# Altium PCB FlyAndDive.PcbDoc
Units mil, origin at the board's own origin, x right, y up, seen from the top; angles counter-clockwise.
Board outline 2050 x 1260 mil, 2 copper layers (Top Layer, Bottom Layer); 41 components, 48 nets, 195 pads, 48 vias.
Unrouted connection lines stored in the file: 28.
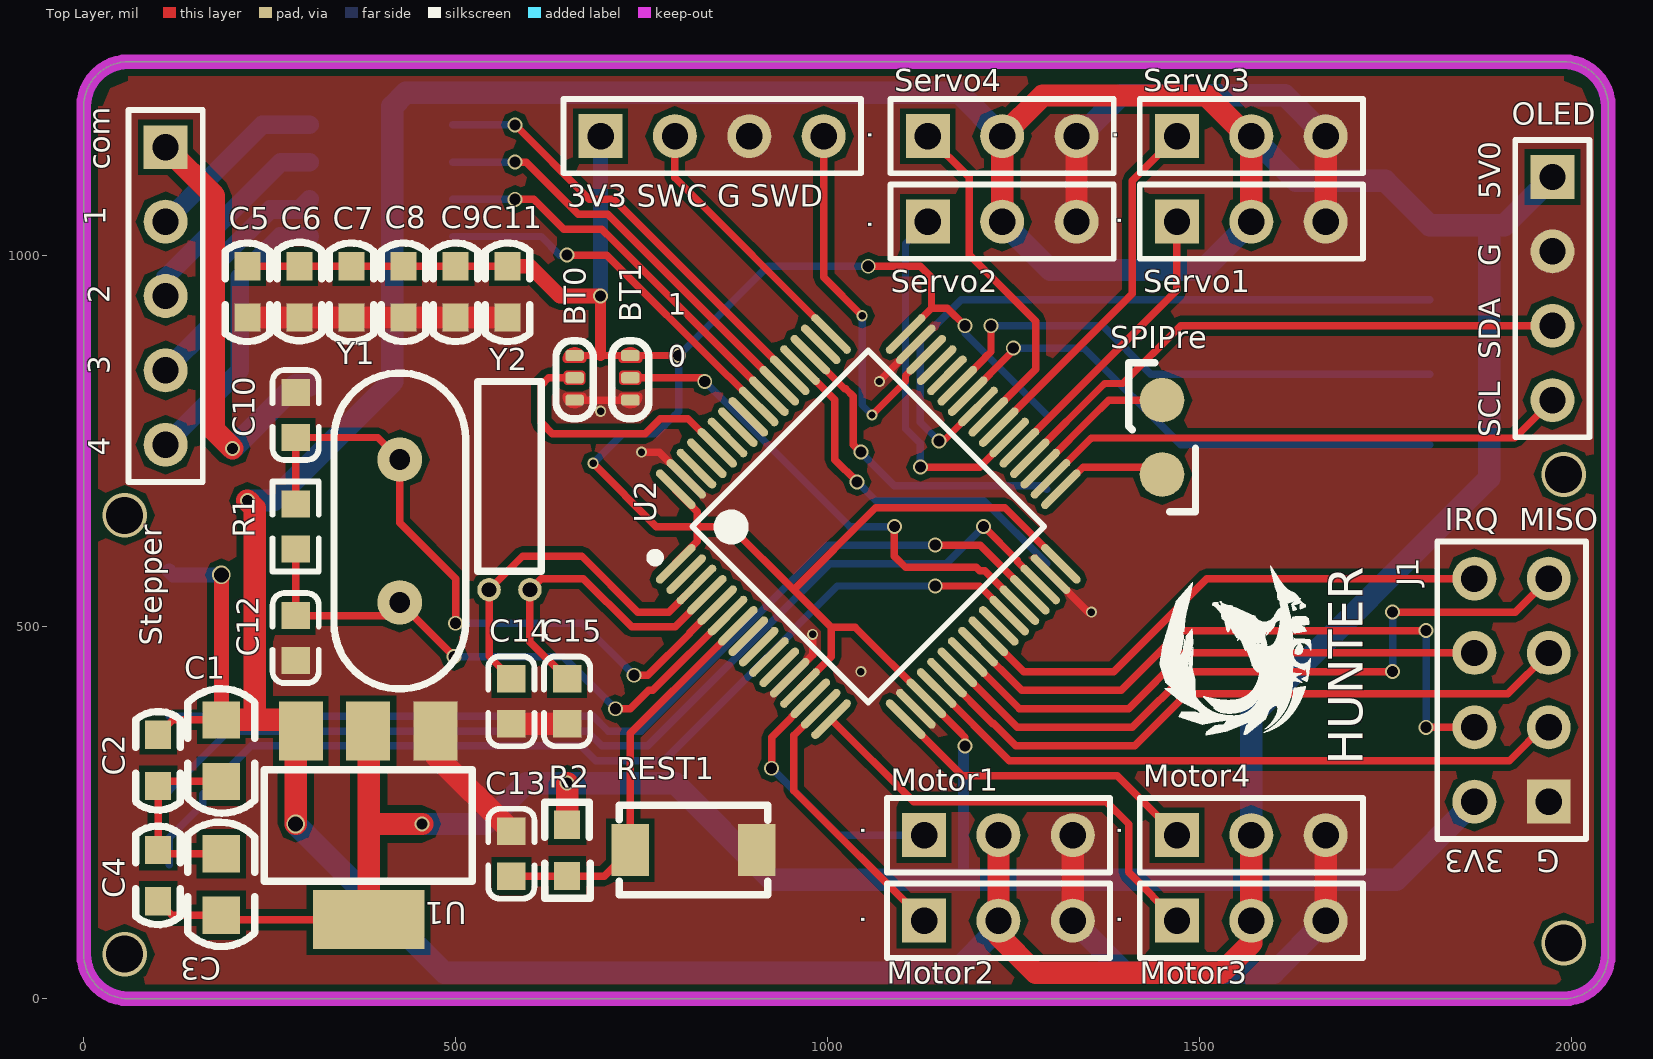
[diagram p0: Top Layer view]
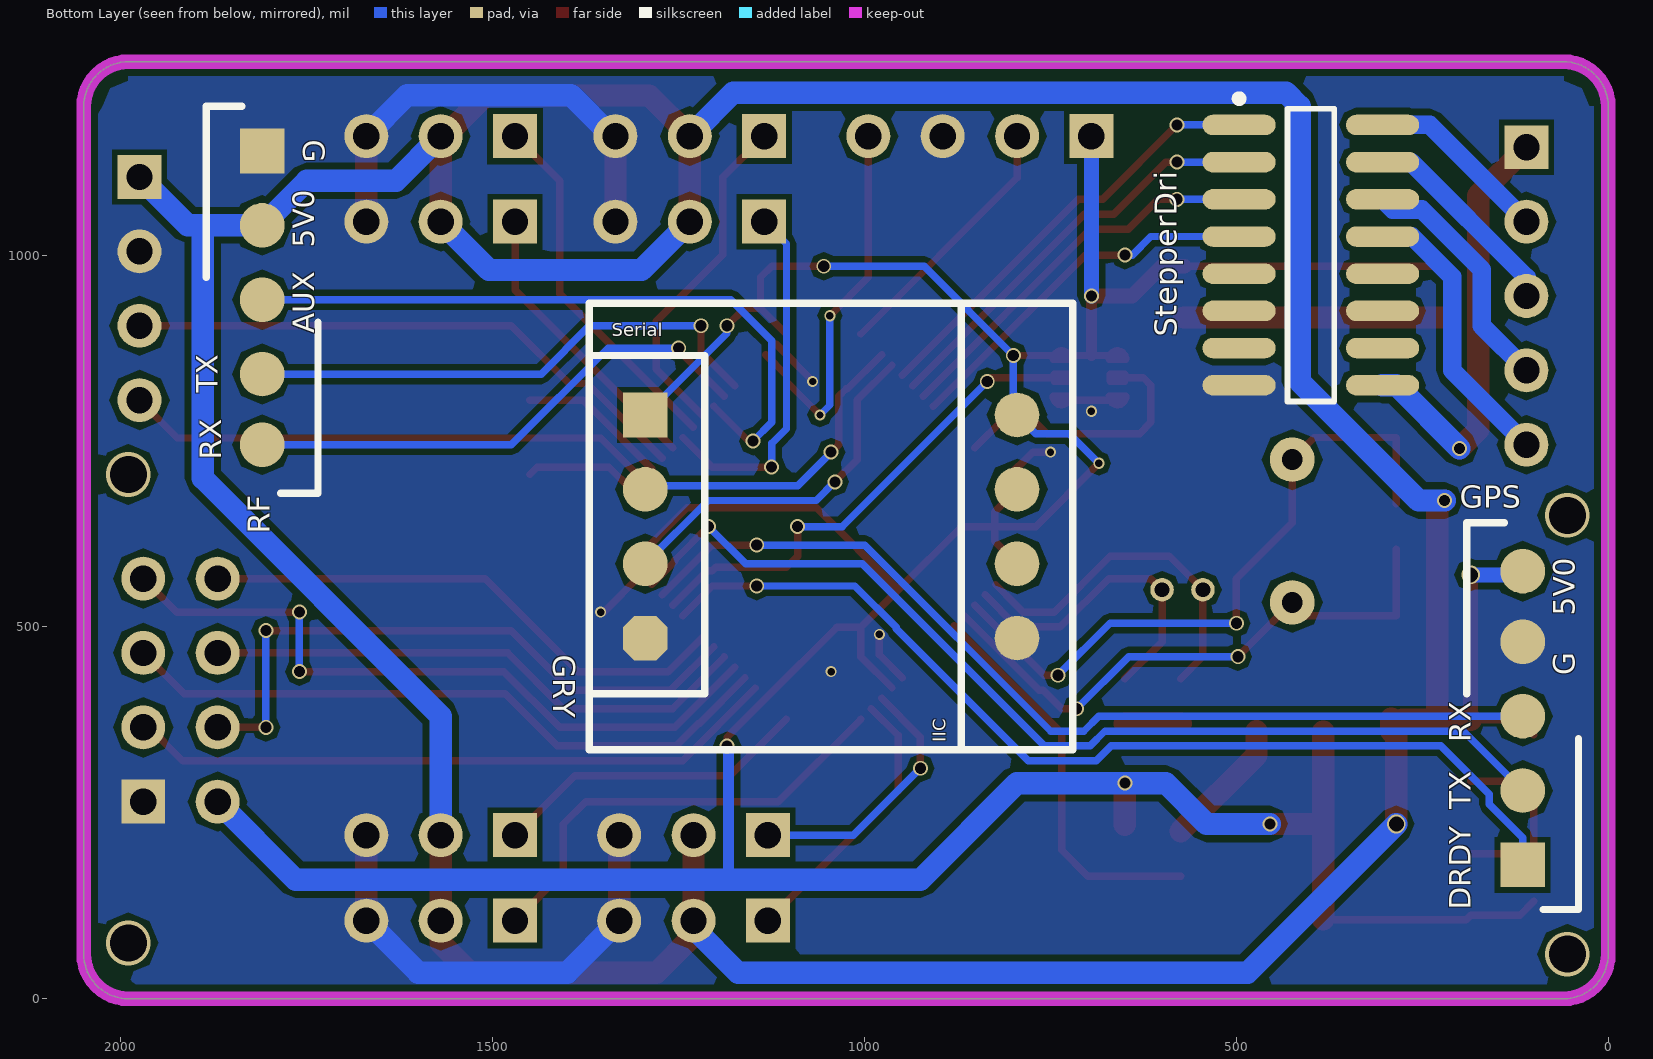
[diagram p1: Bottom Layer view, seen from below]
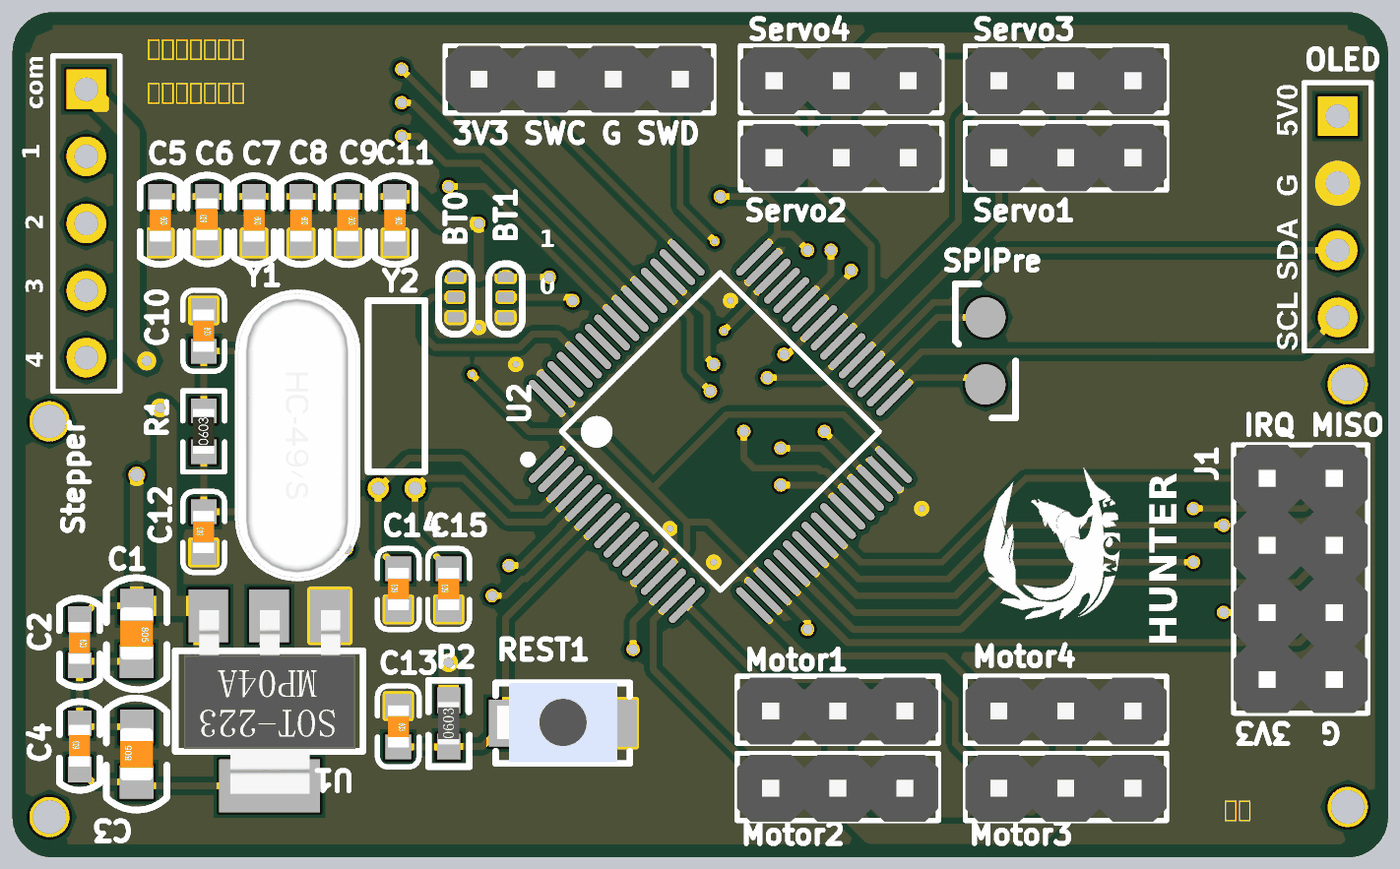
[diagram p2: 3D render of the assembled board from above, using the file's embedded part models]

## Layer stack, top to bottom
Top Solder: solder mask 0.4, Solder Resist, Dk 3.5
Top Layer: signal copper 1.4
Dielectric 1: dielectric 12.6, FR-4, Dk 4.8
Bottom Layer: signal copper 1.4
Bottom Solder: solder mask 0.4, Solder Resist, Dk 3.5

## Board outline
0,60 0,1200 cw(c60,1200) 60,1260 1990,1260 cw(c1990,1200) 2050,1200 2050,60 cw(c1990,60) 1990,0 60,0 cw(c60,60)

## Design rules (kind name [scope] priority, off if disabled: settings)
Clearance [All] p1: gap=8 ignorepadtopadclearanceinfootprint=TRUE
HoleToHoleClearance [All] p1: gap=8 allowstackedmicrovias=TRUE
MinimumSolderMaskSliver [All] p1: minsoldermaskwidth=8
PolygonConnect [All] p1: connectstyle=Direct reliefconductorwidth=10 reliefentries=4 polygonreliefangle="90 Angle" airgapwidth=0
RoutingVias [All] p1: holewidth=15 width=20 viastyle="Through Hole" minholewidth=10 minwidth=15 maxholewidth=20 maxwidth=25
SilkToSilkClearance [All] p1: silktosilkclearance=8
SolderMaskExpansion [All] p1: expansion=4 soldermaskfromhole=TRUE
UnRoutedNet [All] p1: checkbadconnections=TRUE
UnpouredPolygon [All] p1: allowunpoured=TRUE allowshelved=TRUE
Width [All] p1: maxlimit=30 minlimit=10 preferedwidth=10
25 further rules are at their usual default settings.

## Classes and differential pairs
component class U_System&Ports: "3V3 SWC G SWD" BT0 BT1 C5 C6 C7 C8 C9 C10 C11 C12 C13 C14 C15 R1 R2 REST1 SPIPre U2 Y1 Y2
component class U_Power: C1 C2 C3 C4 U1
component class U_Models: GPS Gry Motor1 Motor2 Motor3 Motor4 OLED RF Servo1 Servo2 Servo3 Servo4 Stepper StepperDri

## Components (designator, comment, footprint, x,y, rotation, side; value= is the part's Value field where it differs from the comment)
"3V3 SWC G SWD" "CON/SIP4" HDR1X4 695,1160 r0 top locked (schematic designator DOWNLOAD)
BT0 "JUMPER3" Jumper3#1 660,875 r180 top locked (schematic designator BOOT0)
BT1 "JUMPER3" Jumper3#2 735,875 r180 top locked (schematic designator BOOT1)
C1 "10u" C0805 185,381 r270 top locked
C2 "100n" C0603 100,355 r270 top locked
C3 "10u" C0805 184.9,106.3 r90 top locked
C4 "100n" C0603 100,131 r90 top locked
C5 "104" C0603 220,985 r270 top locked
C6 "104" C0603 290,916 r90 top locked
C7 "104" C0603 360,985 r270 top locked
C8 "104" C0603 430,985 r270 top locked
C9 "104" C0603 500,985 r270 top locked
C10 "20pF" LC-0603_C 285,785 r270 top locked
C11 "104" C0603 570,985 r270 top locked
C12 "20pF" LC-0603_C 285,485 r90 top locked
C13 "104" LC-0603_C 575,195 r270 top locked value=100pF
C14 "6pF" LC-0603_C 575,400 r90 top locked value=20pF
C15 "6pF" LC-0603_C 650,400 r90 top locked value=20pF
GPS "SurfacePad-5" SurfacePad-5 115,180 r0 bottom locked
GRY "Gyroscop" 串口陀螺仪 1295,785 r180 bottom locked (schematic designator Gry)
J1 "NRF2401" HDR2X4 1970,265 r90 top locked
Motor1 "CON/SIP3" HDR1X3 1130,220 r0 top locked
Motor2 "CON/SIP3" HDR1X3 1130,105 r0 top locked
Motor3 "CON/SIP3" HDR1X3 1470,105 r0 top locked
Motor4 "CON/SIP3" HDR1X3 1470,220 r0 top locked
OLED "Header 4" HDR1X4 1975,1105 r270 top locked
R1 "1M" LC-0603_R 285,635 r90 top locked
R2 "10K" R0603 650,165 r90 top locked
REST1 "" KEY-K2 735,200 r0 top locked
RF "SurfacePad-5" SurfacePad-5 1810,1140 r180 bottom locked
Servo1 "CON/SIP3" HDR1X3 1470,1045 r0 top locked
Servo2 "CON/SIP3" HDR1X3 1135,1045 r0 top locked
Servo3 "CON/SIP3" HDR1X3 1470,1160 r0 top locked
Servo4 "CON/SIP3" HDR1X3 1135,1160 r0 top locked
SPIPre "SuefacePad-2" SurfacePad-2 1450,805 r0 top locked
Stepper "Header 5" HDR1X5 110,1145 r270 top locked (schematic designator StepperCon)
StepperDri "ULN2003" SOIC16 400,1000 r180 bottom locked
U1 "AMS1117-XX" SOT223 385,230 r180 top locked
U2 "STM32F103RCT6" LC-LQFP-64_10x10x05P 1055,635 r315 top locked
Y1 "8MHz" XTAL-49/S_N 425,725 r270 top locked
Y2 "32.768k" "XTAL_2X6 卧式" 575,550 r90 top locked value=8MHz

## Footprints (in the part's own frame and the unit in brackets; to place one, negate y for a bottom-side part, rotate by r counter-clockwise, add the part's x,y. Pads: shape width x height; smd on the part's side, far side on the other; paste and mask are expansions set on the pad)
C0603 [mil]
  rect 38x35 smd: 1(0,0) 2(69,0)
  silkscreen extent -31,-30 101,30, body extent 4,-16 67,16, height 12
C0805 [mil]
  rect 50x50 smd: 1(6,0) 2(88.7,-0.1)
  silkscreen extent -36,-45 131,45, body extent 8,-24 87,25, height 30
HDR1X3 [mm] "Connector; Header; 3 Position"
  rect 1.5x1.5 hole 0.9: 1(0,0)
  round 1.5 hole 0.9: 2(2.54,0) 3(5.08,0)
  silkscreen extent -1.27,-1.27 6.35,1.27, body extent -1.27,-1.32 6.35,1.22, height 8.54
HDR1X4 [mm] "Connector; Header; 4 Position"
  rect 1.5x1.5 hole 0.9: 1(0,0)
  round 1.5 hole 0.9: 2(2.54,0) 3(5.08,0) 4(7.62,0)
  silkscreen extent -1.27,-1.27 8.89,1.27, body extent -1.26,-1.27 8.9,1.27, height 8.54
HDR1X5 [mm] "Connector; Header; 5 Position"
  rect 1.5x1.5 hole 0.9: 1(0,0)
  round 1.5 hole 0.9: 2(2.54,0) 3(5.08,0) 4(7.62,0) 5(10.16,0)
  silkscreen extent -1.27,-1.27 11.43,1.27
HDR2X4 [mm] "Connector; Header; 4x2 Position"
  rect 1.5x1.5 hole 0.9: 1(0,0)
  round 1.5 hole 0.9: 2(0,2.54) 3(2.54,0) 4(2.54,2.54) 5(5.08,0) 6(5.08,2.54) 7(7.62,0) 8(7.62,2.54)
  silkscreen extent -1.27,-1.27 8.89,3.81, body extent -1.27,-1.27 8.89,3.81, height 8.54
Jumper3#1 [mil] "Use to select Model"
  rrect50% 25x15 smd: 1(0,10) 2(0,40) 3(0,70)
  Top Layer lines w10: 0,75 0,70 0,65 ; 0,5 0,10 0,15 ; 0,65 0,65 ; 0,65 -11.18,65 cw(c0,65) -10,70 cw(c0,65) 11.18,65 0,65 ; 0,15 11.18,15 cw(c0,15) -10,10 cw(c0,15) -11.18,15 0,15 ; 10,45 10,40 10,35 0,35 -10,35 -10,40 -10,45 0,45 10,45
  silkscreen extent -25,-10 25,95
Jumper3#2 [mil] "Use to select Model"
  rrect50% 25x15 smd: 1(0,10) 2(0,40) 3(0,70)
  Top Layer lines w10: 0,75 0,70 0,65 ; 0,5 0,10 0,15 ; 0,65 0,65 ; 0,65 -11.18,65 cw(c0,65) 10,70 cw(c0,65) 11.18,65 0,65 ; 0,15 -11.18,15 ccw(c0,15) -10,10 ccw(c0,15) 10,10 ccw(c0,15) 11.18,15 0,15 ; 10,45 10,40 10,35 0,35 -10,35 -10,40 -10,45 0,45 10,45
  silkscreen extent -25,-10 25,95
KEY-K2 [mil]
  rect 50x70 smd: 1(0,0) 2(170,0)
  silkscreen extent -15,-60 185,60, body extent -13,-58 183,60, height 79
LC-0603_C [mm]
  rect 0.93x0.98 smd: 1(-0.77,0) 2(0.77,0)
  silkscreen extent -1.53,-0.79 1.54,0.79, body extent -0.8,-0.4 0.8,0.4, height 0.3
LC-0603_R [mm]
  rect 0.93x0.98 smd: 1(-0.77,0) 2(0.77,0)
  silkscreen extent -1.53,-0.79 1.54,0.79, body extent -0.85,-0.4 0.85,0.4, height 0.56
LC-LQFP-64_10x10x05P [mm]
  oval 0.28x1.8 smd mask+0.051: 1(-3.75,-5.55) 2(-3.25,-5.55) 3(-2.75,-5.55) 4(-2.25,-5.55) 5(-1.75,-5.55) 6(-1.25,-5.55) 7(-0.75,-5.55) 8(-0.25,-5.55) 9(0.25,-5.55) 10(0.75,-5.55) 11(1.25,-5.55) 12(1.75,-5.55) 13(2.25,-5.55) 14(2.75,-5.55) 15(3.25,-5.55) 16(3.75,-5.55) 33(3.75,5.55) 34(3.25,5.55) 35(2.75,5.55) 36(2.25,5.55) 37(1.75,5.55) 38(1.25,5.55) 39(0.75,5.55) 40(0.25,5.55) 41(-0.25,5.55) 42(-0.75,5.55) 43(-1.25,5.55) 44(-1.75,5.55) 45(-2.25,5.55) 46(-2.75,5.55) 47(-3.25,5.55) 48(-3.75,5.55)
  oval 1.8x0.28 smd mask+0.051: 17(5.55,-3.75) 18(5.55,-3.25) 19(5.55,-2.75) 20(5.55,-2.25) 21(5.55,-1.75) 22(5.55,-1.25) 23(5.55,-0.75) 24(5.55,-0.25) 25(5.55,0.25) 26(5.55,0.75) 27(5.55,1.25) 28(5.55,1.75) 29(5.55,2.25) 30(5.55,2.75) 31(5.55,3.25) 32(5.55,3.75) 49(-5.55,3.75) 50(-5.55,3.25) 51(-5.55,2.75) 52(-5.55,2.25) 53(-5.55,1.75) 54(-5.55,1.25) 55(-5.55,0.75) 56(-5.55,0.25) 57(-5.55,-0.25) 58(-5.55,-0.75) 59(-5.55,-1.25) 60(-5.55,-1.75) 61(-5.55,-2.25) 62(-5.55,-2.75) 63(-5.55,-3.25) 64(-5.55,-3.75)
  silkscreen extent -4.55,-6.05 4.25,4.25
R0603 [mil] "1/10W"
  rect 38x35 smd: 1(0,0) 2(69,0)
  silkscreen extent -30,-31 99,30, body extent 4,-16 66,16, height 18
SOIC16 [mm] "16-Pin Small Outline Integrated Circuit 1.27 mm Pitch, IPC Low Density"
  oval 2.5x0.7 smd: 1(-2.45,4.445) 2(-2.45,3.175) 3(-2.45,1.905) 4(-2.45,0.635) 5(-2.45,-0.635) 6(-2.45,-1.905) 7(-2.45,-3.175) 8(-2.45,-4.445) 9(2.45,-4.445) 10(2.45,-3.175) 11(2.45,-1.905) 12(2.45,-0.635) 13(2.45,0.635) 14(2.45,1.905) 15(2.45,3.175) 16(2.45,4.445)
  silkscreen extent -2.58,-5 0.8,5.47, body extent -2.97,-4.98 3.03,4.92, height 1.4
SOT223 [mil]
  rect 59x79 smd: 1(-88,-130) 2(2.55,-130) 3(93.1,-130)
  rect 150x79 smd: 2(1.88,123.54)
  silkscreen extent -137,-78 143,72, body extent -126,-139 130,135, height 67
SurfacePad-2 [mil]
  round 60 smd: 1(0,0) 2(0,-100)
  silkscreen extent -45,-150 45,50
SurfacePad-5 [mil]
  rect 60x60 smd: 1(0,0)
  round 60 smd: 2(0,-100) 3(0,-200) 4(0,-300) 5(0,-395)
  silkscreen extent -75,-460 75,60
XTAL-49/S_N [mil] "短型晶振（未加焊）"
  round 60 hole 28: 1(0,0) 2(192,0)
  silkscreen extent -116,-88 308,89, body extent -116,-89 309,88, height 138
"XTAL_2X6 卧式" [mm]
  round 0.8 hole 0.5: 1(0,-0.635) 2(0,0.762)
  silkscreen extent 0.63,-1.02 7.11,1.14, body extent 0.91,-0.94 6.91,1.05, height 2
串口陀螺仪 [mil]
  rect 60x60 smd: 1(0,0)
  round 60 smd: 2(0,-100) 3(0,-200) 5(500,-300) 6(500,-200) 7(500,-100) 8(500,0)
  oct 60x60 smd: 4(0,-300)
  silkscreen extent -75,-450 575,150

## Part data
BT0 BT1: "Jumper"
C1 C2 C3 C4: library part Capacitor, "电容"
C5 C6 C7 C8 C9 C11: library part CAP
C10 C12 C14 C15: library part CAP, "CAP CHIP 20P 50V(+-5% C0G 0603)"
C13: library part CAP, "GRM39 X7R102K50PT", Published=8-Jun-2000, Publisher="Altium Limited", REF="GRM39 X7R102K50PT", Revision="July-2002: Re-released for DXP Platform."
GRY: library part 串口陀螺仪
J1: library part "HEADER 8", "8 Pin Header"
OLED: "Header, 4-Pin", LatestRevisionDate=17-Jul-2002, LatestRevisionNote="Re-released for DXP Platform.", Publisher="Altium Limited"
R1 R2: library part RES
REST1: library part SW-PB
SPIPre: library part SurfacePad-2
Stepper: "Header, 5-Pin", LatestRevisionDate=17-Jul-2002, LatestRevisionNote="Re-released for DXP Platform.", Publisher="Altium Limited"
StepperDri: "驱动IC"
U1: "稳压芯片"
U2: library part STM32F103RBT6
Y1 Y2: library part CRYSTAL, "Crystal 8MHz PLUG"

## Via types
v1: diameter 20, hole 15, Top Layer to Bottom Layer, 33 vias
v2: diameter 15, hole 10, Top Layer to Bottom Layer, 9 vias
v3: diameter 60, hole 50, Top Layer to Bottom Layer, 4 vias
v4: diameter 25, hole 20, Top Layer to Bottom Layer, 2 vias

## Nets (pads, with @x,y where several pads share a name; then routed paths per layer and width w, separated by ;. In a path a pad name is that pad's centre, name@x,y a point inside that pad or via, vN(x,y) a via of type N, cw(c..) or ccw(c..) an arc to the next point about the centre after c; other vN are vias at no path point)
3V3: "3V3 SWC G SWD.1" BT0.1 BT1.1 C3.1 C4.1 C5.1 C6.2 C7.1 C8.1 C9.1 C11.1 GRY.1 GRY.8 J1.2 R2.2 U1.2 U2.1 U2.13 U2.19 U2.32 U2.48 U2.64 | length 5547.4
  Top Layer w10: C4.1 118.7,112.3 C3.1 190.74,106.46 U1.2@383.12,106.46 ; C5.1 C6.2 C7.1 C8.1 C9.1 C11.1 ; U1.2@382.45,360 U1.2@383.12,359.33 ; BT0.1@670,865 695,865 BT1.1@725,865 ; v2(685,720) 770.02,634.98 825,634.98 ; BT1.1 745,865 v1(800,865) ; U2.1@795.51,585.47 825,614.96 825,634.98 ; U2.64 796.1,683.9 825,655 825,634.98 ; U2.13 963.13,418.13 1005,460 1005,499.73 ; v1(1055,985) 1125,985 1140,970 1140,928.79 ; U2.48 1140,928.79 ; 1179.78,356.66 1185,351.44 v1(1185,340) ; 1180,356.89 U2.19 1037.16,499.73 1005,499.73 ; v1(1185,905) 1161.21,928.79 1140,928.79 ; U2.32 1238.79,660 1064.73,660 954.73,550 ; 825,634.98 869.74,634.98 954.73,550 ; 954.73,550 1005,499.73
  Top Layer w15: 695,865 v1(695,945)
  Top Layer w20: C11.1 600,985 640,945 v1(695,945)
  Top Layer w30: U1.2@383.12,106.46 383.12,235 ; U1.2@383.12,359.33 383.12,235 ; v1(455,235) 383.12,235 ; R2.2 v1(650,290)
  Bottom Layer w10: v2(685,720) 725,760 770,760 GRY.8 800,790 v1(800,865) 920,985 v1(1055,985) ; v1(1185,905) 1185,895 GRY.1
  Bottom Layer w15: 1185,160 1182.97,162.03 1182.97,337.97 v1(1185,340)
  Bottom Layer w20: v1(695,945) 695,1160
  Bottom Layer w30: v1(455,235) 540,235 595,290 v1(650,290) 795,290 925,160 1185,160 1765,160 J1.2
5V0: C1.1 C2.1 GPS.5 Motor1.2 Motor2.2 Motor3.2 Motor4.2 OLED.1 RF.2 Servo1.2 Servo2.2 Servo3.2 Servo4.2 U1.3 | length 6553.6
  Top Layer w10: C2.1 120,375 C1.1
  Top Layer w20: C1.1 v4(185,570)
  Top Layer w30: C1.1 230,375 ; v1(220,670) 230,660 230,375 ; v4(285,235) 285,353.1 U1.3 ; U1.3@291.9,376.9 U1.3 ; Motor1.2 Motor2.2 1230,85 1280,35 1530,35 1570,75 Motor3.2 Motor4.2 ; Servo2.2 Servo4.2 1289.53,1214.53 1509.88,1214.53 1564.41,1160 Servo3.2 Servo1.2 ; 230,375 276.9,375 U1.3
  Bottom Layer w20: GPS.5 120,570 v4(185,570)
  Bottom Layer w30: v1(220,670) 255,670 415,830 415,1200 433.43,1218.43 1176.57,1218.43 Servo4.2 ; v4(285,235) 485,35 1170,35 1230,95 Motor2.2 ; Servo2.2 1300,980 1505,980 Servo1.2 ; Motor4.2 1570,380 1890,700 1890,1040 ; Servo3.2 1630,1100 1750,1100 RF.2 1890,1040 ; OLED.1 1910,1040 1890,1040
AUX: RF.3 U2.41 | length 924.9
  Top Layer w10: v1(1150,750) 1156.08,750 U2.41
  Bottom Layer w10: v1(1150,750) 1125,775 1125,885 1180,940 RF.3
BOOT0: BT0.2 U2.60 | length 368.7
  Top Layer w10: BT0.2@660,830 655,835 650,835 625,835 615,825 615,775 630,760 755,760 775,780 812.56,780 U2.60
BOOT1: BT1.2 U2.28 | length 676.2
  Top Layer w10: BT1.2 745,835 835,835 v1(835,830) ; v1(1090,635) 1090,595 1105,580 1200.4,580 1204.6,575.81 1211.63,575.81 U2.28
  Bottom Layer w10: v1(835,830) 1030,635 v1(1090,635)
COM: Stepper.1 StepperDri.9 | length 581
  Top Layer w30: Stepper.1 175,1080 175,765 v1(200,740)
  Bottom Layer w30: v1(200,740) 285,825 StepperDri.9
DRDY: GPS.1 U2.27 | length 1348
  Top Layer w10: v1(1145,555) 1204.6,555 U2.27
  Bottom Layer w10: GPS.1 115,216.36 160,261.36 160,275 225,340 668.43,340 688.43,320 780,320 957.5,497.5 957.5,499.32 1013.18,555 v1(1145,555)
GND: "3V3 SWC G SWD.3" BT0.3 BT1.3 C5.2 C6.1 C7.2 C8.2 C9.2 C10.1 C11.2 C12.1 C13.1 C14.1 C15.1 GPS.4 GRY.4 GRY.5 J1.1 Motor1.3 Motor2.3 Motor3.3 Motor4.3 OLED.2 REST1.2 RF.1 Servo1.3 Servo2.3 Servo3.3 Servo4.3 StepperDri.8 U1.1 U2.12 U2.18 U2.31 U2.47 U2.63 | length 2633.9
  Top Layer w10: BT0.3 670,805 725,805 BT1.3 ; v2(750,735) 774.05,735 U2.63 ; U2.12 980,462.56 ; 979.64,462.92 980,463.28 v2(980,490) ; v2(1070,830) 1069.05,830 U2.47 ; U2.31 1350.95,520 v2(1355,520)
  Top Layer w30: U1.1 473,327.32 C13.1 ; Motor2.3 Motor1.3 ; Servo2.3 Servo4.3 ; Motor3.3 Motor4.3 ; Servo1.3 Servo3.3 ; C6.1 C7.2 ; C6.1 C5.2 C6.1 ; C6.1 C7.2 ; C7.2 C8.2 ; C7.2 C8.2 ; C8.2 C9.2 ; C8.2 C9.2 ; C9.2 C11.2 C9.2 ; C14.1 C15.1 C14.1
  Bottom Layer w30: Motor2.3 1400,35 1600,35 Motor3.3 ; Servo4.3 1340,1160 1395,1215 1615,1215 Servo3.3
  other v2: 1045,440 695,790
GPSRX: GPS.3 U2.29 | length 1296.7
  Top Layer w10: v1(1145,610) 1205.27,610 U2.29
  Bottom Layer w10: GPS.3 685,380 705,360 750,360 1000,610 v1(1145,610)
GPSTX: GPS.2 U2.30 | length 1368.1
  Top Layer w10: v1(1210,635) 1255,590 1255,588.11 U2.30
  Bottom Layer w10: GPS.2 195,360 676.72,360 696.72,340 758.28,340 1003.28,585 1160,585 v1(1210,635)
GryRX: GRY.2 U2.51 | length 431
  Top Layer w10: U2.51 1023.11,820 1025,820 1035,810 1035,745 v1(1045,735)
  Bottom Layer w10: v1(1045,735) 1090,690 1290,690 GRY.2
GryTX: GRY.3 U2.52 | length 489.8
  Top Layer w10: U2.52 1010,805.27 1010,725 v1(1040,695)
  Bottom Layer w10: v1(1040,695) 1065,670 1210.36,670 1295,585.36 GRY.3
Motor1: Motor1.1 U2.14 | length 357.8
  Top Layer w10: v1(925,310) 925,351.89 U2.14
  Bottom Layer w10: v1(925,310) 1015,220 Motor1.1
Motor2: Motor2.1 U2.15 | length 372.4
  Top Layer w10: U2.15 955,354.05 955,280 Motor2.1
Motor3: Motor3.1 U2.16 | length 615.5
  Top Layer w10: U2.16 1115.99,265 1375,265 1405,235 1405,170 Motor3.1
Motor4: Motor4.1 U2.17 | length 429.5
  Top Layer w10: U2.17 1181.21,300 1390,300 Motor4.1
NetC1_2: C1.2 C2.2 C3.2 C4.2 | length 260.6
  Top Layer w10: C1.2 106.3,292.3 C2.2 C4.2 105,195 C3.2
NetStepperCon_2: Stepper.2 StepperDri.16 | length 247.4
  Bottom Layer w25: Stepper.2 240,1175 StepperDri.16
NetStepperCon_3: Stepper.3 StepperDri.15 | length 282.7
  Bottom Layer w25: Stepper.3 110,970 265,1125 StepperDri.15
NetStepperCon_4: Stepper.4 StepperDri.14 | length 333
  Bottom Layer w25: Stepper.4 170,905 170,980.5 250.78,1061.28 289.82,1061.28 StepperDri.14
NetStepperCon_5: Stepper.5 StepperDri.13 | length 383.3
  Bottom Layer w25: Stepper.5 210,845 210,971.01 263.99,1025 StepperDri.13
NRF_CE: J1.3 U2.20 | length 880
  Top Layer w10: U2.20 1244.73,320 1917.19,320 J1.3@1966.1,368.9
NRF_CS: J1.4 U2.24 | length 854.8
  Top Layer w10: U2.24 1261.08,415 1395,415 1475,495 v1(1805,495) ; v1(1805,365) J1.4
  Bottom Layer w10: v1(1805,365) v1(1805,495)
NRF_IRQ: J1.8 U2.25 | length 725
  Top Layer w10: U2.25 1263.92,440 1385,440 1510,565 J1.8
OLEDSCL: OLED.4 U2.34 | length 718.8
  Top Layer w10: U2.34 1355,754.05 ; 1355.22,753.82 1355.45,754.05 1924.05,754.05 OLED.4
OLEDSDA: OLED.3 U2.36 | length 776.5
  Top Layer w10: U2.36 1372.64,827.36 ; 1372.86,827.14 1373.08,827.36 1397.36,827.36 1475,905 OLED.3
OSC_IN1: C14.2 U2.3 Y2.2 | length 476.1
  Top Layer w10: C14.2 545,460.32 Y2.2 590,595 670,595 745,520 786.89,520 796.19,529.3 U2.3
OSC_IN2: C10.2 R1.2 U2.5 Y1.1 | length 912.9
  Top Layer w10: R1.2 C10.2 395.32,754.68 Y1.1 425,640 500,565 v1(500,505) ; v1(740,435) 758.45,435 815.17,491.72 815.17,492.16 815.22,492.21 ; 815,492.44 U2.5
  Bottom Layer w10: v1(500,505) 670,505 v1(740,435)
OSC_OUT1: C15.2 U2.4 Y2.1 | length 429.5
  Top Layer w10: C15.2 600,480.32 Y2.1 615,565 671.72,565 736.72,500 795.17,500 795.17,500.45 U2.4
OSC_OUT2: C12.2 R1.1 U2.6 Y1.2 | length 788.5
  Top Layer w10: R1.1 C12.2 407.32,515.32 Y1.2 v1(498,460) ; v1(715,390) 735,390 760,415 765.4,415 U2.6
  Bottom Layer w10: v1(498,460) 645,460 v1(715,390)
RESET: C13.2 R2.1 REST1.1 U2.7 | length 535.9
  Top Layer w10: C13.2 649.68,164.68 R2.1 700,165 REST1.1 735,356.76 851.87,473.62 U2.7
RFRX: RF.5 U2.42 | length 703.9
  Top Layer w10: U2.42 1250,871.76 v1(1250,875)
  Bottom Layer w10: v1(1250,875) 1345,875 1475,745 RF.5
RFTX: RF.4 U2.43 | length 716.4
  Top Layer w10: U2.43 1212.48,862.08 1212.48,862.52 1220,870.04 v1(1220,905)
  Bottom Layer w10: v1(1220,905) 1370,905 1435,840 RF.4
Servo1: Servo1.1 U2.37 | length 391.9
  Top Layer w10: U2.37 1470,952.56 Servo1.1
Servo2: Servo2.1 U2.38 | length 486.5
  Top Layer w10: v1(1125,715) 1204.6,715 U2.38
  Bottom Layer w10: v1(1125,715) 1125,746.72 1105,766.72 1105,1015 Servo2.1
Servo3: Servo3.1 U2.39 | length 490.6
  Top Layer w10: U2.39 1410,948.24 1410,1100 Servo3.1
Servo4: Servo4.1 U2.40 | length 463.7
  Top Layer w10: Servo4.1 1190.47,1104.53 1190.47,1000.47 1280,910.94 1280,846.53 1259.78,826.3 ; U2.40 1260,826.08
SPI1_MISO: J1.7 U2.22 | length 958.2
  Top Layer w10: U2.22 1255.4,365 ; 1255.85,365.45 1256.29,365 1410,365 1485,440 v1(1760,440) ; v1(1760,520) 1925,520 J1.7
  Bottom Layer w10: v1(1760,440) v1(1760,520)
SPI1_MOSI: J1.6 U2.23 | length 741.3
  Top Layer w10: U2.23 1258.24,390 1405,390 1480,465 J1.6
SPI1_SCK: J1.5 U2.21 | length 898.9
  Top Layer w10: U2.21 1222.56,370 ; 1222.79,370.22 1253.01,340 1413.28,340 1483.28,410 1915,410 J1.5
SPI2MISO: SPIPre.1 U2.35 | length 201.9
  Top Layer w10: U2.35 1366.56,793.44 ; 1366.78,793.22 1378.56,805 SPIPre.1
SPI2NSS: SPIPre.2 U2.33 | length 152.6
  Top Layer w10: U2.33 1343.79,715 1440,715 SPIPre.2
Stepper1: StepperDri.1 U2.53 | length 592.3
  Top Layer w10: v1(580,1175) 680,1075 712.44,1075 U2.53
  Bottom Layer w10: StepperDri.1 v1(580,1175)
Stepper2: StepperDri.2 U2.54 | length 563.3
  Top Layer w10: v1(580,1125) 595,1125 665,1055 704.15,1055 704.37,1054.78 ; 704.6,1055 U2.54
  Bottom Layer w10: StepperDri.2 v1(580,1125)
Stepper3: StepperDri.3 U2.55 | length 534.4
  Top Layer w10: v1(580,1075) 605,1075 645.22,1034.78 696.54,1034.78 703.16,1028.16 ; 703.38,1028.38 U2.55
  Bottom Layer w10: StepperDri.3 v1(580,1075)
Stepper4: StepperDri.4 U2.56 | length 505.7
  Top Layer w10: v1(650,1000) 703.47,1000 866.74,836.74 867.18,836.74 U2.56
  Bottom Layer w10: StepperDri.4 615,1025 640,1000 v1(650,1000)
SWCLK: "3V3 SWC G SWD.2" U2.49 | length 353
  Top Layer w10: 795,1160 795,1103.79 U2.49
SWDIO: "3V3 SWC G SWD.4" U2.46 | length 513.2
  Top Layer w10: 995,1160 995,970 v2(1046.56,918.44) ; v2(1060,785) 1105,830 1105,838.11 U2.46
  Bottom Layer w10: v2(1046.56,918.44) 1046.56,798.44 v2(1060,785)
pads on no net: GRY.6 GRY.7 StepperDri.5 StepperDri.6 StepperDri.7 StepperDri.10 StepperDri.11 StepperDri.12 U2.2 U2.8 U2.9 U2.10 U2.11 U2.26 U2.44 U2.45 U2.50 U2.57 U2.58 U2.59 U2.61 U2.62
copper on no net:
  other v3: 55,60 1990,75 55,650 1990,705

## Polygon pours and split planes (outlines as drawn)
GND on Bottom Layer "GND_L02_P018" (solid, remove dead copper, pour order 18): -5,5 0,0 2050,0 2050,1260 0,1260
GND on Top Layer "GND_L01_P020" (solid, remove dead copper, pour order 20): 0,0 2040,0 2050,10 2050,1255 15,1255 5,1245

## Keep-outs
Keep-Out Layer:
  the board outline again, w20

## Silkscreen, mask and mechanical layers (free items; w line width, h text height)
Top Overlay:
  drawing of 3033 lines, arcs and shapes, not listed
  text "." at 1070,1155 h50 r90
  text "." at 1400,1155 h50 r90
  text "com" at 45,1115 h50 r90
  text "5V0" at 1915,1075 h50 r90
  text "1" at 40,1040 h50 r90
  text "." at 1405,1040 h50 r90
  text "." at 1070,1035 h50 r90
  text "G" at 1915,985 h50 r90
  text "2" at 45,935 h50 r90
  text "1" at 785,910 h50
  text "SDA" at 1915,860 h50 r90
  text "3" at 45,840 h50 r90
  text "0" at 785,840 h50
  text "SCL" at 1915,755 h50 r90
  text "4" at 45,730 h50 r90
  text "HUNTER" at 1735,315 h80 r90
  text "." at 1060,220 h50 r90
  text "." at 1405,220 h50 r90
  text "." at 1060,100 h50 r90
  text "." at 1405,100 h50 r90
Bottom Overlay:
  text "G" at 1765,1155 h50 r90
  text "5V0" at 1730,1010 h50 r270
  text "AUX" at 1730,895 h50 r270
  text "TX" at 1860,815 h50 r270
  text "RX" at 1855,725 h50 r270
  text "5V0" at 35,515 h50 r270
  text "G" at 35,435 h50 r270
  text "RX" at 175,345 h50 r270
  text "TX" at 175,255 h50 r270
  text "DRDY" at 175,120 h50 r270
Top Solder:
  text "醉卧不知天在水" at 200,1195 h50
  text "满船清梦压星河" at 200,1130 h50
  text "罗琪" at 1805,60 h50

## Text inside footprints (layer, text, board x,y; h text height)
GRY: Bottom Overlay "IIC" at 885,345 h30 r270; Bottom Overlay "Serial" at 1340,885 h30
J1: Top Overlay "IRQ" at 1830,630 h30; Top Overlay "MISO" at 1930,630 h30; Top Overlay "G" at 1985,200 h30 r180; Top Overlay "3V3" at 1910,200 h30 r180